# KiCad board panel.kicad_pcb
title: CleverHand - EMG; date: 2022-10-26; rev: 3.0; company: Alexis Devillard
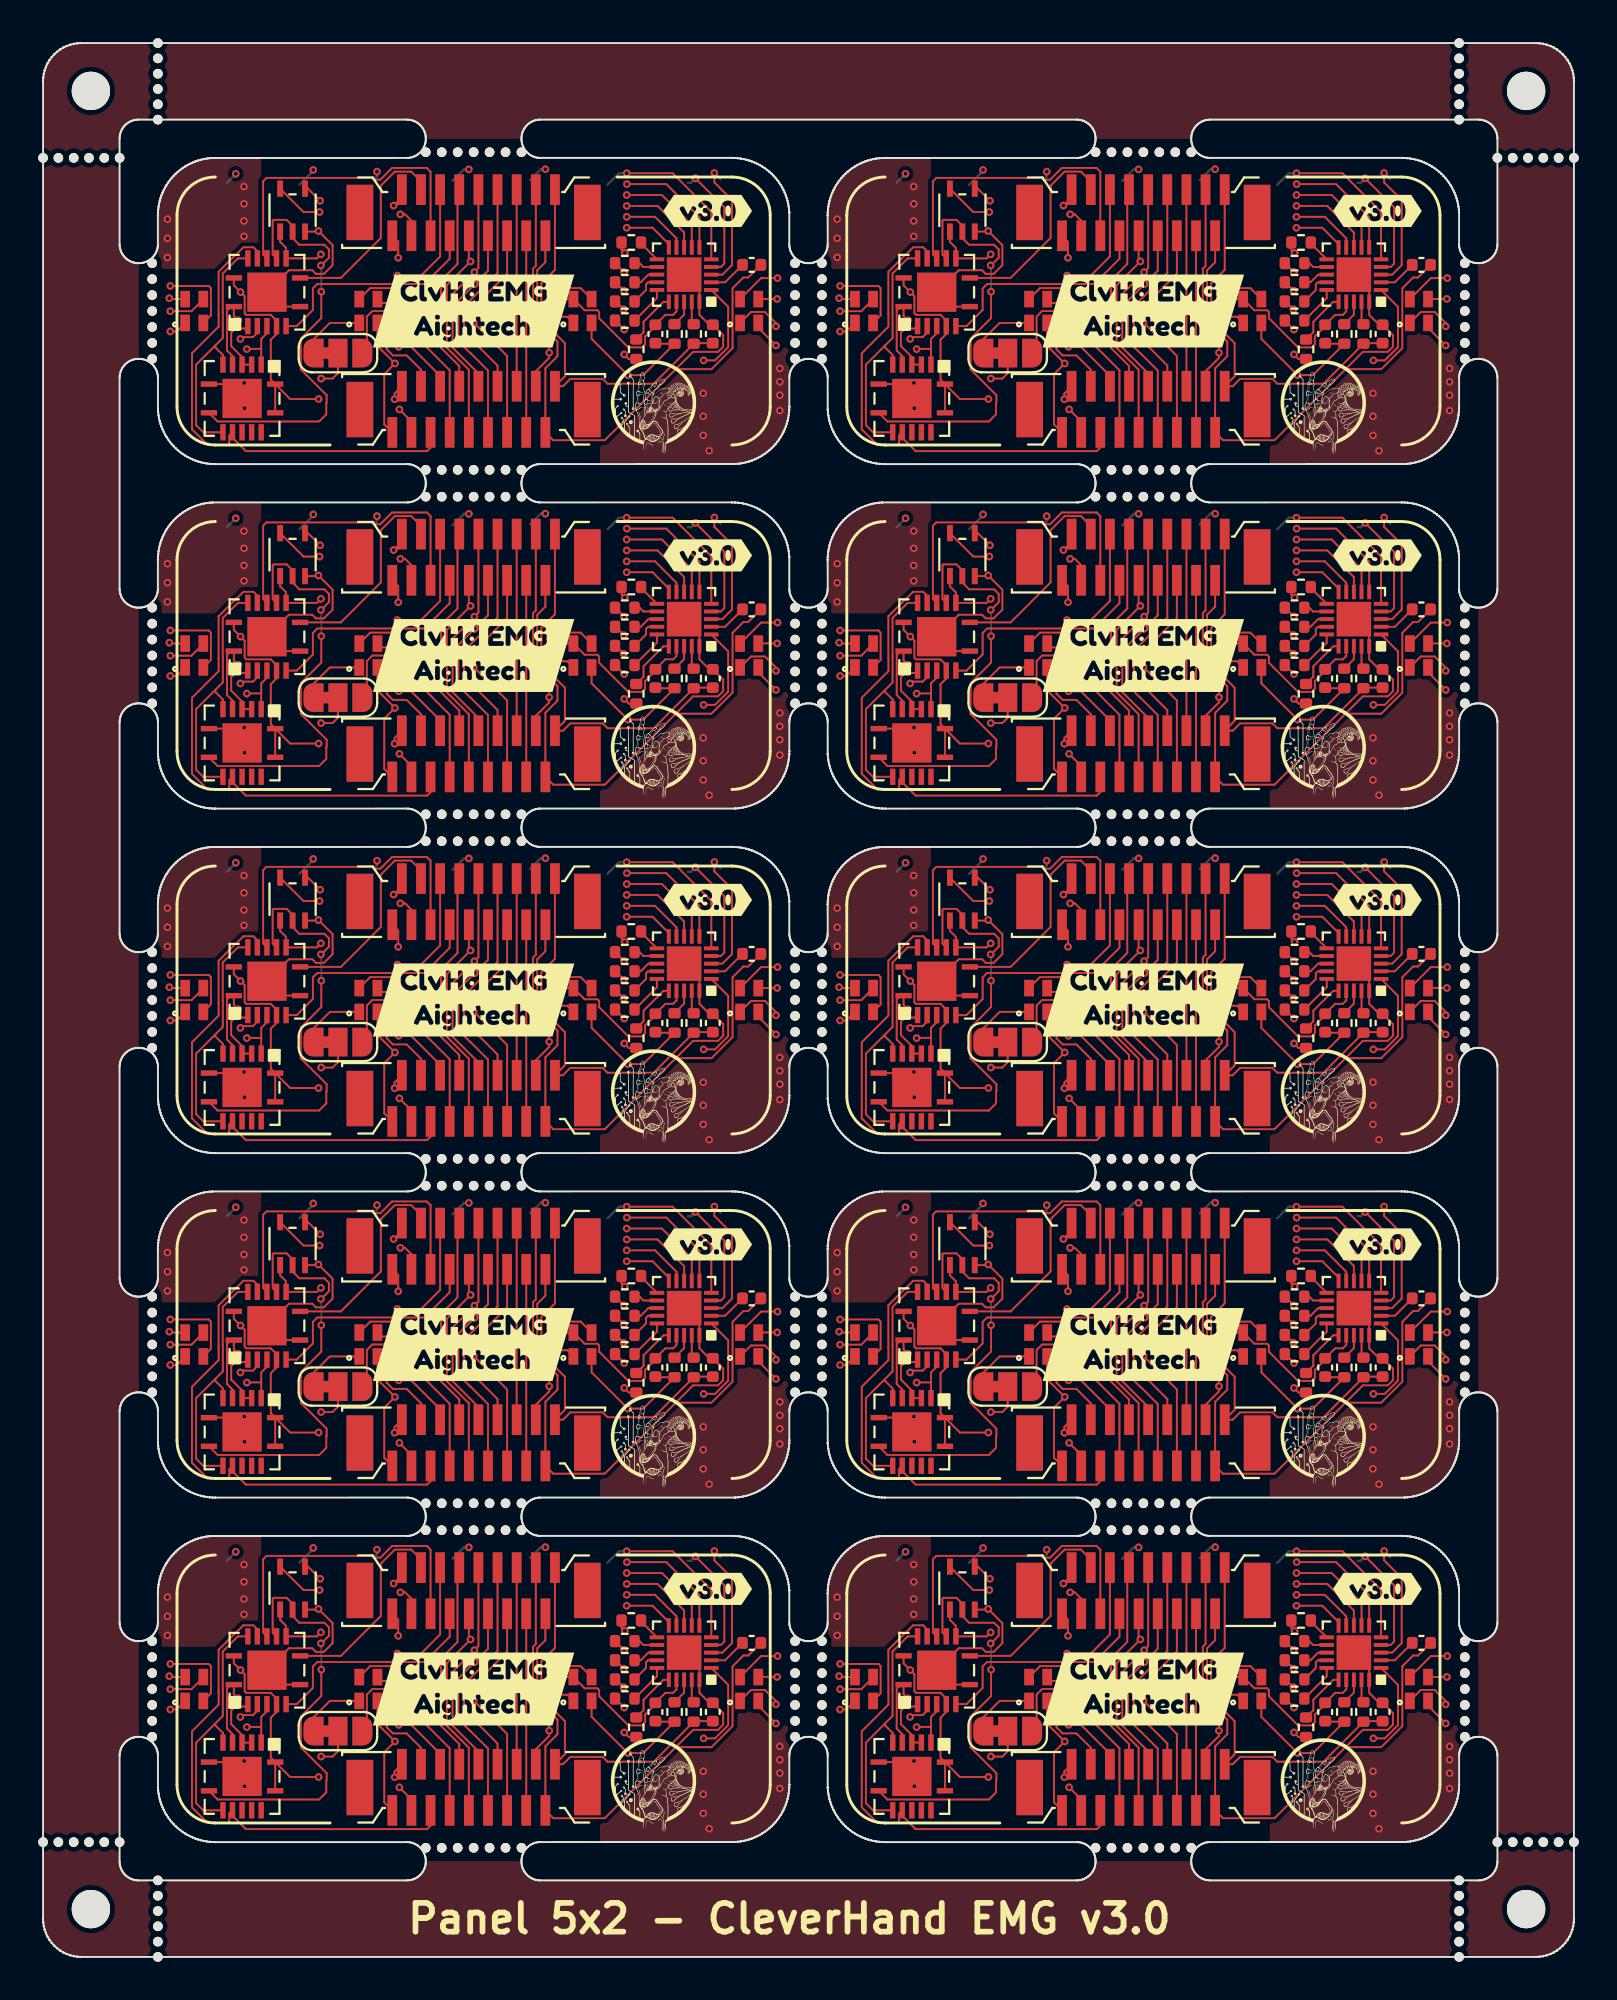
[diagram p0: board, top side]
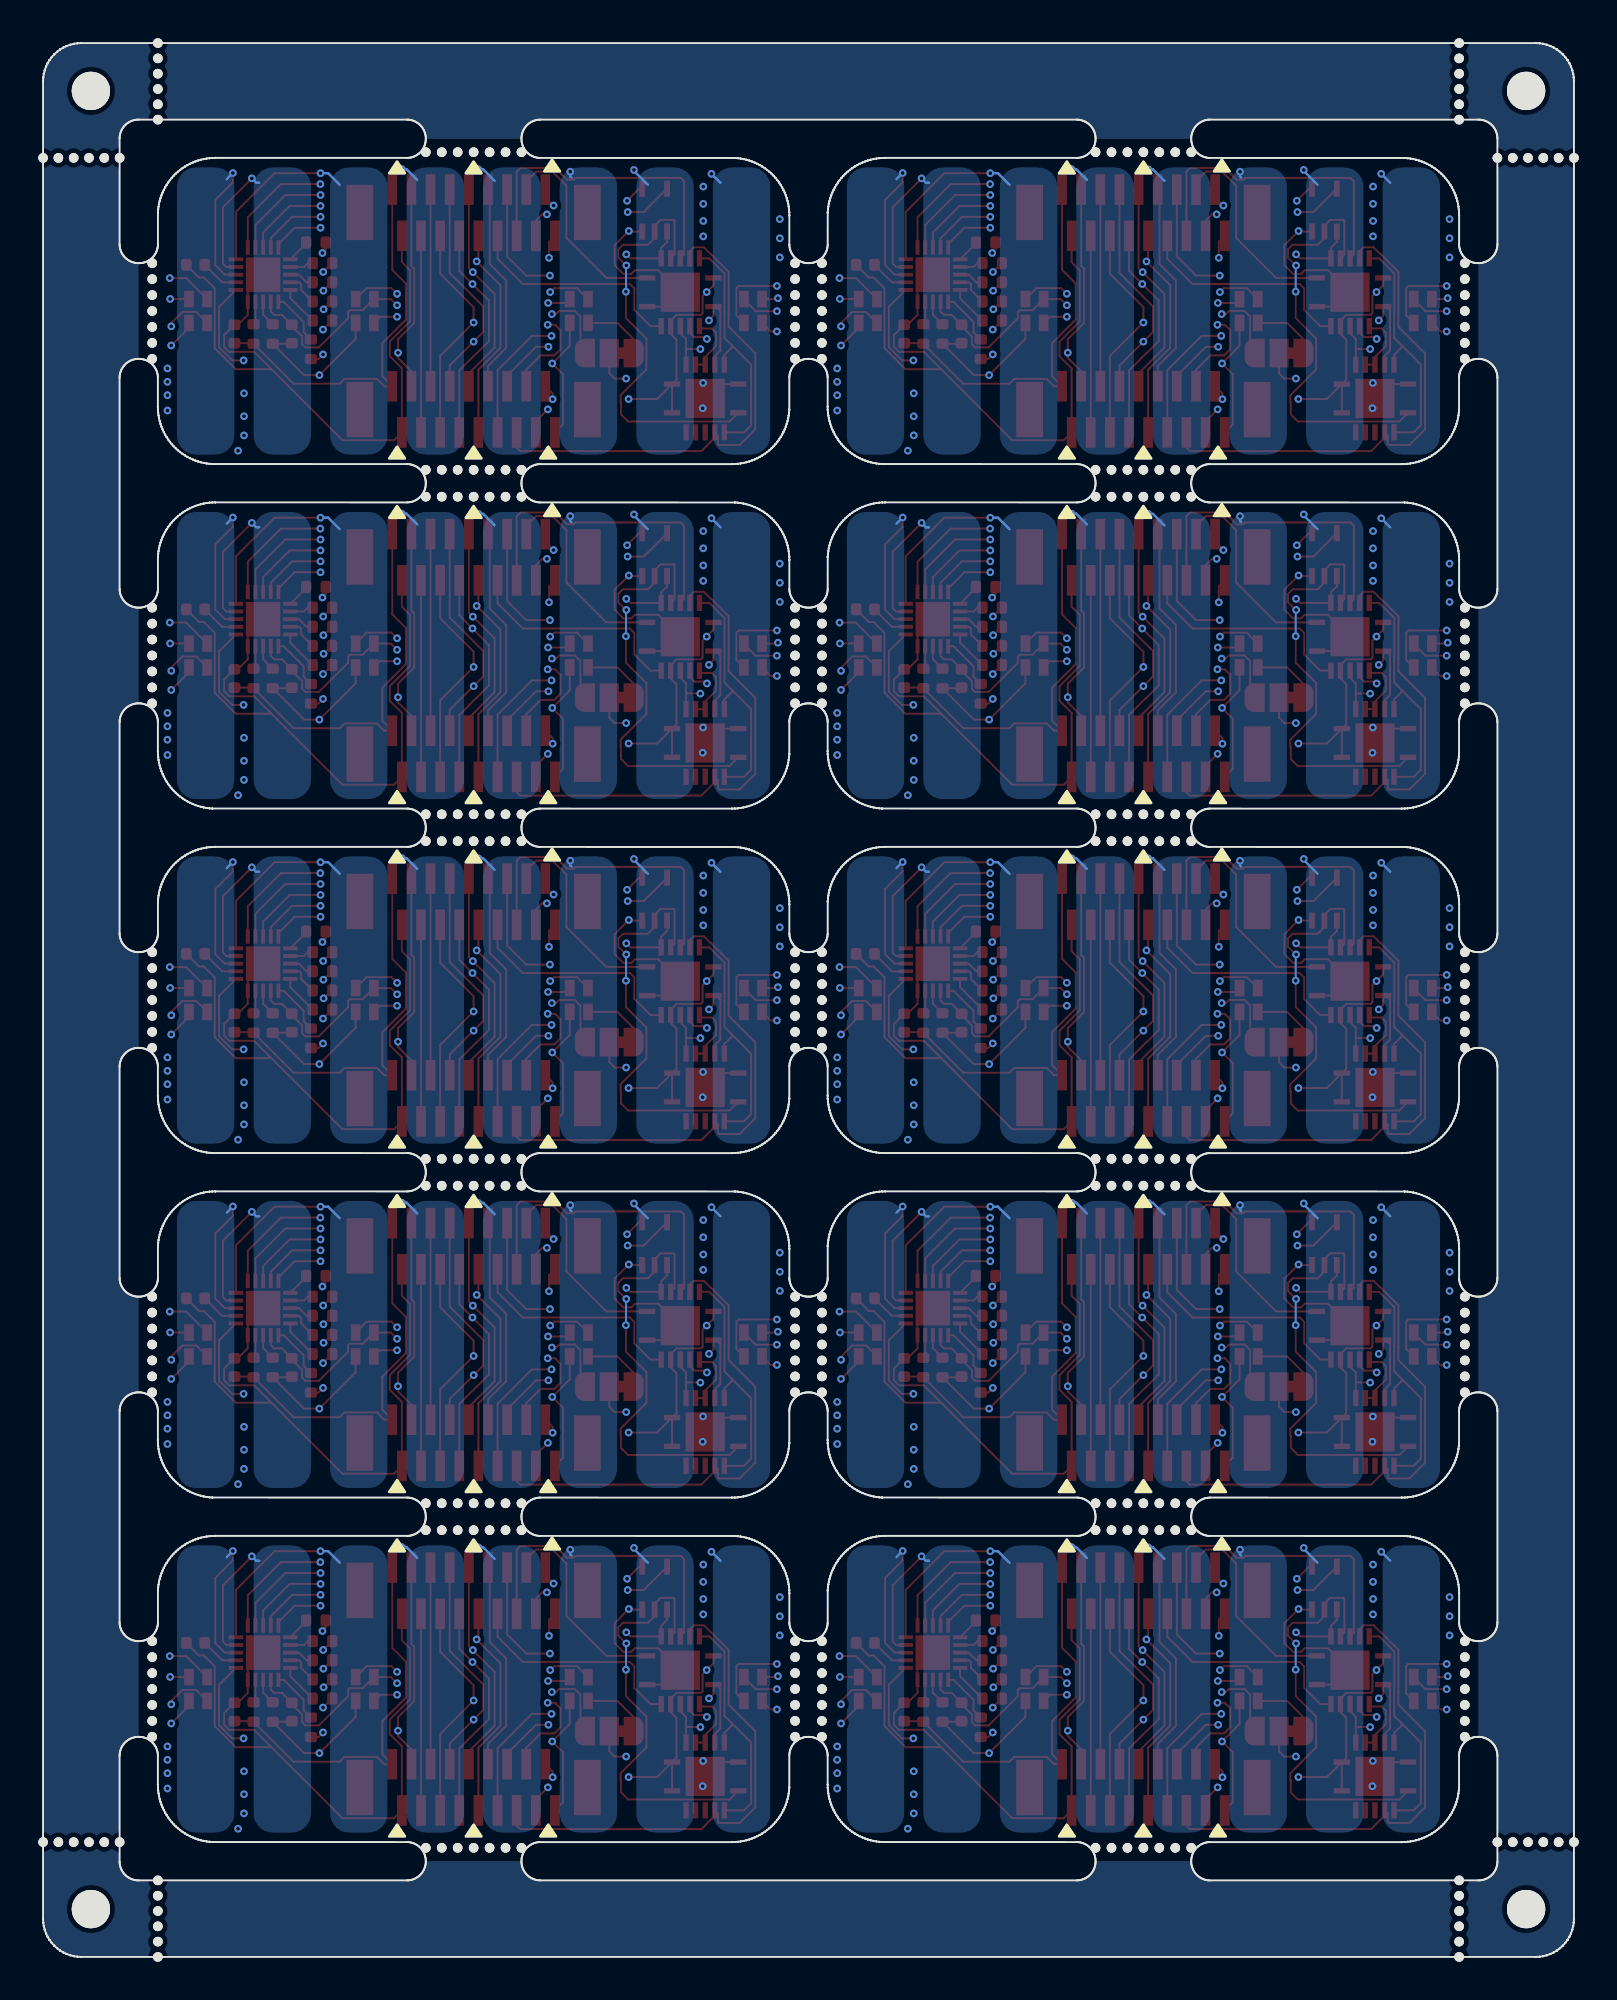
[diagram p1: board, bottom side, seen from below]

Outline 80 x 100 mm; copper layers: Front, In1.Cu, In2.Cu, Back. Coordinates in mm from the lower left corner of the outline.
Stack: Front 0.035mm / dielectric 0.48mm FR4 er 4.5 / In1.Cu 0.035mm / dielectric 0.48mm FR4 er 4.5 / In2.Cu 0.035mm / dielectric 0.48mm FR4 er 4.5 / Back 0.035mm

## Placement (name value [footprint] x y rotation side)
C1  100nF  [C_0402_1005Metric]  70 12.8 270 top
C1#2  100nF  [C_0402_1005Metric]  70 48.8 270 top
C1#3  100nF  [C_0402_1005Metric]  70 30.8 270 top
C1#4  100nF  [C_0402_1005Metric]  70 84.8 270 top
C1#5  100nF  [C_0402_1005Metric]  35 66.8 270 top
C1#6  100nF  [C_0402_1005Metric]  35 48.8 270 top
C1#7  100nF  [C_0402_1005Metric]  35 12.8 270 top
C1#8  100nF  [C_0402_1005Metric]  70 66.8 270 top
C1#9  100nF  [C_0402_1005Metric]  35 84.8 270 top
C1#10  100nF  [C_0402_1005Metric]  35 30.8 270 top
C2  100nF  [C_0402_1005Metric]  67 84.8 90 top
C2#2  100nF  [C_0402_1005Metric]  32 48.8 90 top
C2#3  100nF  [C_0402_1005Metric]  32 30.8 90 top
C2#4  100nF  [C_0402_1005Metric]  67 30.8 90 top
C2#5  100nF  [C_0402_1005Metric]  67 66.8 90 top
C2#6  100nF  [C_0402_1005Metric]  67 12.8 90 top
C2#7  100nF  [C_0402_1005Metric]  67 48.8 90 top
C2#8  100nF  [C_0402_1005Metric]  32 84.8 90 top
C2#9  100nF  [C_0402_1005Metric]  32 66.8 90 top
C2#10  100nF  [C_0402_1005Metric]  32 12.8 90 top
C3  10uF  [C_0402_1005Metric]  72.03 16.41 0 top
C3#2  10uF  [C_0402_1005Metric]  37.03 88.41 0 top
C3#3  10uF  [C_0402_1005Metric]  72.03 34.41 0 top
C3#4  10uF  [C_0402_1005Metric]  72.03 88.41 0 top
C3#5  10uF  [C_0402_1005Metric]  37.03 70.41 0 top
C3#6  10uF  [C_0402_1005Metric]  72.03 70.41 0 top
C3#7  10uF  [C_0402_1005Metric]  37.03 16.41 0 top
C3#8  10uF  [C_0402_1005Metric]  37.03 34.41 0 top
C3#9  10uF  [C_0402_1005Metric]  72.03 52.41 0 top
C3#10  10uF  [C_0402_1005Metric]  37.03 52.41 0 top
D1  1515  [neopixel_1515]  7.9 32 90 top
D1#2  1515  [neopixel_1515]  7.9 68 90 top
D1#3  1515  [neopixel_1515]  42.9 86 90 top
D1#4  1515  [neopixel_1515]  42.9 14 90 top
D1#5  1515  [neopixel_1515]  42.9 50 90 top
D1#6  1515  [neopixel_1515]  7.9 50 90 top
D1#7  1515  [neopixel_1515]  42.9 68 90 top
D1#8  1515  [neopixel_1515]  42.9 32 90 top
D1#9  1515  [neopixel_1515]  7.9 14 90 top
D1#10  1515  [neopixel_1515]  7.9 86 90 top
D2  1515  [neopixel_1515]  17 68 90 top
D2#2  1515  [neopixel_1515]  17 86 90 top
D2#3  1515  [neopixel_1515]  17 14 90 top
D2#4  1515  [neopixel_1515]  52 32 90 top
D2#5  1515  [neopixel_1515]  17 32 90 top
D2#6  1515  [neopixel_1515]  52 86 90 top
D2#7  1515  [neopixel_1515]  52 14 90 top
D2#8  1515  [neopixel_1515]  52 50 90 top
D2#9  1515  [neopixel_1515]  52 68 90 top
D2#10  1515  [neopixel_1515]  17 50 90 top
D3  1515  [neopixel_1515]  63.19 68 90 top
D3#2  1515  [neopixel_1515]  28.19 68 90 top
D3#3  1515  [neopixel_1515]  28.19 50 90 top
D3#4  1515  [neopixel_1515]  63.19 32 90 top
D3#5  1515  [neopixel_1515]  63.19 14 90 top
D3#6  1515  [neopixel_1515]  28.19 14 90 top
D3#7  1515  [neopixel_1515]  63.19 86 90 top
D3#8  1515  [neopixel_1515]  28.19 86 90 top
D3#9  1515  [neopixel_1515]  28.19 32 90 top
D3#10  1515  [neopixel_1515]  63.19 50 90 top
D4  1515  [neopixel_1515]  71.9 86 90 top
D4#2  1515  [neopixel_1515]  71.9 32 90 top
D4#3  1515  [neopixel_1515]  71.9 68 90 top
D4#4  1515  [neopixel_1515]  36.9 86 90 top
D4#5  1515  [neopixel_1515]  36.9 32 90 top
D4#6  1515  [neopixel_1515]  36.9 50 90 top
D4#7  1515  [neopixel_1515]  71.9 50 90 top
D4#8  1515  [neopixel_1515]  36.9 68 90 top
D4#9  1515  [neopixel_1515]  36.9 14 90 top
D4#10  1515  [neopixel_1515]  71.9 14 90 top
G***  -  [LOGO]  66.91 45.03 0 top
G***#2  -  [LOGO]  31.91 63.03 0 top
G***#3  -  [LOGO]  31.91 9.03 0 top
G***#4  -  [LOGO]  66.91 81.03 0 top
G***#5  -  [LOGO]  31.91 81.03 0 top
G***#6  -  [LOGO]  66.91 27.03 0 top
G***#7  -  [LOGO]  31.91 45.03 0 top
G***#8  -  [LOGO]  66.91 63.03 0 top
G***#9  -  [LOGO]  66.91 9.03 0 top
G***#10  -  [LOGO]  31.91 27.03 0 top
J1  COM_IN  [XF2J-1824-12A]  18.25 43.66 0 top
J1#2  COM_IN  [XF2J-1824-12A]  18.25 7.66 0 top
J1#3  COM_IN  [XF2J-1824-12A]  53.25 61.66 0 top
J1#4  COM_IN  [XF2J-1824-12A]  53.25 7.66 0 top
J1#5  COM_IN  [XF2J-1824-12A]  53.25 79.66 0 top
J1#6  COM_IN  [XF2J-1824-12A]  18.25 79.66 0 top
J1#7  COM_IN  [XF2J-1824-12A]  18.25 25.66 0 top
J1#8  COM_IN  [XF2J-1824-12A]  53.25 25.66 0 top
J1#9  COM_IN  [XF2J-1824-12A]  18.25 61.66 0 top
J1#10  COM_IN  [XF2J-1824-12A]  53.25 43.66 0 top
J2  COM_OUT  [XF2J-1824-12A]  61.75 74.34 180 top
J2#2  COM_OUT  [XF2J-1824-12A]  61.75 20.34 180 top
J2#3  COM_OUT  [XF2J-1824-12A]  61.75 92.34 180 top
J2#4  COM_OUT  [XF2J-1824-12A]  26.75 56.34 180 top
J2#5  COM_OUT  [XF2J-1824-12A]  26.75 38.34 180 top
J2#6  COM_OUT  [XF2J-1824-12A]  26.75 74.34 180 top
J2#7  COM_OUT  [XF2J-1824-12A]  26.75 92.34 180 top
J2#8  COM_OUT  [XF2J-1824-12A]  26.75 20.34 180 top
J2#9  COM_OUT  [XF2J-1824-12A]  61.75 56.34 180 top
J2#10  COM_OUT  [XF2J-1824-12A]  61.75 38.34 180 top
JP1  1-4_neo_bridge  [SolderJumper-3_P1.3mm_Bridged12_RoundedPad1.0x1.5mm_NumberLabels]  15.41 47.8 0 top
JP1#2  1-4_neo_bridge  [SolderJumper-3_P1.3mm_Bridged12_RoundedPad1.0x1.5mm_NumberLabels]  50.41 29.8 0 top
JP1#3  1-4_neo_bridge  [SolderJumper-3_P1.3mm_Bridged12_RoundedPad1.0x1.5mm_NumberLabels]  50.41 47.8 0 top
JP1#4  1-4_neo_bridge  [SolderJumper-3_P1.3mm_Bridged12_RoundedPad1.0x1.5mm_NumberLabels]  50.41 65.8 0 top
JP1#5  1-4_neo_bridge  [SolderJumper-3_P1.3mm_Bridged12_RoundedPad1.0x1.5mm_NumberLabels]  15.41 65.8 0 top
JP1#6  1-4_neo_bridge  [SolderJumper-3_P1.3mm_Bridged12_RoundedPad1.0x1.5mm_NumberLabels]  15.41 29.8 0 top
JP1#7  1-4_neo_bridge  [SolderJumper-3_P1.3mm_Bridged12_RoundedPad1.0x1.5mm_NumberLabels]  15.41 83.8 0 top
JP1#8  1-4_neo_bridge  [SolderJumper-3_P1.3mm_Bridged12_RoundedPad1.0x1.5mm_NumberLabels]  50.41 11.8 0 top
JP1#9  1-4_neo_bridge  [SolderJumper-3_P1.3mm_Bridged12_RoundedPad1.0x1.5mm_NumberLabels]  15.41 11.8 0 top
JP1#10  1-4_neo_bridge  [SolderJumper-3_P1.3mm_Bridged12_RoundedPad1.0x1.5mm_NumberLabels]  50.41 83.8 0 top
kibuzzard-635971E5  G***  [kibuzzard-635971E5]  57.5 14 0 top
kibuzzard-635971E5#2  G***  [kibuzzard-635971E5]  22.5 86 0 top
kibuzzard-635971E5#3  G***  [kibuzzard-635971E5]  22.5 32 0 top
kibuzzard-635971E5#4  G***  [kibuzzard-635971E5]  22.5 14 0 top
kibuzzard-635971E5#5  G***  [kibuzzard-635971E5]  22.5 50 0 top
kibuzzard-635971E5#6  G***  [kibuzzard-635971E5]  57.5 50 0 top
kibuzzard-635971E5#7  G***  [kibuzzard-635971E5]  57.5 32 0 top
kibuzzard-635971E5#8  G***  [kibuzzard-635971E5]  57.5 68 0 top
kibuzzard-635971E5#9  G***  [kibuzzard-635971E5]  22.5 68 0 top
kibuzzard-635971E5#10  G***  [kibuzzard-635971E5]  57.5 86 0 top
kibuzzard-63597494  G***  [kibuzzard-63597494]  34.73 73.23 0 top
kibuzzard-63597494#2  G***  [kibuzzard-63597494]  69.73 73.23 0 top
kibuzzard-63597494#3  G***  [kibuzzard-63597494]  69.73 19.23 0 top
kibuzzard-63597494#4  G***  [kibuzzard-63597494]  34.73 55.23 0 top
kibuzzard-63597494#5  G***  [kibuzzard-63597494]  69.73 55.23 0 top
kibuzzard-63597494#6  G***  [kibuzzard-63597494]  69.73 37.23 0 top
kibuzzard-63597494#7  G***  [kibuzzard-63597494]  34.73 91.23 0 top
kibuzzard-63597494#8  G***  [kibuzzard-63597494]  69.73 91.23 0 top
kibuzzard-63597494#9  G***  [kibuzzard-63597494]  34.73 19.23 0 top
kibuzzard-63597494#10  G***  [kibuzzard-63597494]  34.73 37.23 0 top
R1  10R  [R_0402_1005Metric]  31 12 270 top
R1#2  10R  [R_0402_1005Metric]  31 30 270 top
R1#3  10R  [R_0402_1005Metric]  66 12 270 top
R1#4  10R  [R_0402_1005Metric]  66 66 270 top
R1#5  10R  [R_0402_1005Metric]  66 84 270 top
R1#6  10R  [R_0402_1005Metric]  66 48 270 top
R1#7  10R  [R_0402_1005Metric]  66 30 270 top
R1#8  10R  [R_0402_1005Metric]  31 48 270 top
R1#9  10R  [R_0402_1005Metric]  31 66 270 top
R1#10  10R  [R_0402_1005Metric]  31 84 270 top
R2  10R  [R_0402_1005Metric]  65.4 85.5 180 top
R2#2  10R  [R_0402_1005Metric]  65.4 31.5 180 top
R2#3  10R  [R_0402_1005Metric]  30.4 49.5 180 top
R2#4  10R  [R_0402_1005Metric]  30.4 13.5 180 top
R2#5  10R  [R_0402_1005Metric]  30.4 67.5 180 top
R2#6  10R  [R_0402_1005Metric]  65.4 49.5 180 top
R2#7  10R  [R_0402_1005Metric]  30.4 85.5 180 top
R2#8  10R  [R_0402_1005Metric]  65.4 67.5 180 top
R2#9  10R  [R_0402_1005Metric]  30.4 31.5 180 top
R2#10  10R  [R_0402_1005Metric]  65.4 13.5 180 top
R3  10R  [R_0402_1005Metric]  30.4 50.5 180 top
R3#2  10R  [R_0402_1005Metric]  30.4 14.5 180 top
R3#3  10R  [R_0402_1005Metric]  65.4 86.5 180 top
R3#4  10R  [R_0402_1005Metric]  30.4 86.5 180 top
R3#5  10R  [R_0402_1005Metric]  30.4 32.5 180 top
R3#6  10R  [R_0402_1005Metric]  30.4 68.5 180 top
R3#7  10R  [R_0402_1005Metric]  65.4 68.5 180 top
R3#8  10R  [R_0402_1005Metric]  65.4 50.5 180 top
R3#9  10R  [R_0402_1005Metric]  65.4 32.5 180 top
R3#10  10R  [R_0402_1005Metric]  65.4 14.5 180 top
R4  10R  [R_0402_1005Metric]  65.4 15.5 180 top
R4#2  10R  [R_0402_1005Metric]  65.4 33.5 180 top
R4#3  10R  [R_0402_1005Metric]  30.4 15.5 180 top
R4#4  10R  [R_0402_1005Metric]  30.4 69.5 180 top
R4#5  10R  [R_0402_1005Metric]  30.4 51.5 180 top
R4#6  10R  [R_0402_1005Metric]  65.4 69.5 180 top
R4#7  10R  [R_0402_1005Metric]  30.4 33.5 180 top
R4#8  10R  [R_0402_1005Metric]  65.4 87.5 180 top
R4#9  10R  [R_0402_1005Metric]  30.4 87.5 180 top
R4#10  10R  [R_0402_1005Metric]  65.4 51.5 180 top
R5  10R  [R_0402_1005Metric]  65.4 70.5 180 top
R5#2  10R  [R_0402_1005Metric]  30.4 16.5 180 top
R5#3  10R  [R_0402_1005Metric]  30.4 88.5 180 top
R5#4  10R  [R_0402_1005Metric]  65.4 52.5 180 top
R5#5  10R  [R_0402_1005Metric]  30.4 70.5 180 top
R5#6  10R  [R_0402_1005Metric]  30.4 34.5 180 top
R5#7  10R  [R_0402_1005Metric]  30.4 52.5 180 top
R5#8  10R  [R_0402_1005Metric]  65.4 34.5 180 top
R5#9  10R  [R_0402_1005Metric]  65.4 16.5 180 top
R5#10  10R  [R_0402_1005Metric]  65.4 88.5 180 top
R6  10R  [R_0402_1005Metric]  65.74 89.58 180 top
R6#2  10R  [R_0402_1005Metric]  65.74 17.58 180 top
R6#3  10R  [R_0402_1005Metric]  30.74 17.58 180 top
R6#4  10R  [R_0402_1005Metric]  65.74 35.58 180 top
R6#5  10R  [R_0402_1005Metric]  30.74 71.58 180 top
R6#6  10R  [R_0402_1005Metric]  30.74 35.58 180 top
R6#7  10R  [R_0402_1005Metric]  65.74 71.58 180 top
R6#8  10R  [R_0402_1005Metric]  30.74 53.58 180 top
R6#9  10R  [R_0402_1005Metric]  65.74 53.58 180 top
R6#10  10R  [R_0402_1005Metric]  30.74 89.58 180 top
R7  10R  [R_0402_1005Metric]  69 84.8 270 top
R7#2  10R  [R_0402_1005Metric]  34 66.8 270 top
R7#3  10R  [R_0402_1005Metric]  69 48.8 270 top
R7#4  10R  [R_0402_1005Metric]  34 84.8 270 top
R7#5  10R  [R_0402_1005Metric]  34 12.8 270 top
R7#6  10R  [R_0402_1005Metric]  34 30.8 270 top
R7#7  10R  [R_0402_1005Metric]  34 48.8 270 top
R7#8  10R  [R_0402_1005Metric]  69 12.8 270 top
R7#9  10R  [R_0402_1005Metric]  69 66.8 270 top
R7#10  10R  [R_0402_1005Metric]  69 30.8 270 top
R8  10R  [R_0402_1005Metric]  33 48.8 270 top
R8#2  10R  [R_0402_1005Metric]  33 30.8 270 top
R8#3  10R  [R_0402_1005Metric]  33 12.8 270 top
R8#4  10R  [R_0402_1005Metric]  68 66.8 270 top
R8#5  10R  [R_0402_1005Metric]  33 66.8 270 top
R8#6  10R  [R_0402_1005Metric]  68 48.8 270 top
R8#7  10R  [R_0402_1005Metric]  68 12.8 270 top
R8#8  10R  [R_0402_1005Metric]  33 84.8 270 top
R8#9  10R  [R_0402_1005Metric]  68 30.8 270 top
R8#10  10R  [R_0402_1005Metric]  68 84.8 270 top
REF**  -  [NPTH]  5.7 11.5 0 top
REF**#2  -  [NPTH]  40.7 31.17 0 top
REF**#3  -  [NPTH]  1.6 6 0 top
REF**#4  -  [NPTH]  5.7 33.67 0 top
REF**#5  -  [NPTH]  20 94.3 0 top
REF**#6  -  [NPTH]  56.67 23.7 0 top
REF**#7  -  [NPTH]  22.5 40.3 0 top
REF**#8  -  [NPTH]  55.83 59.7 0 top
REF**#9  -  [NPTH]  74 2.4 0 top
REF**#10  -  [NPTH]  5.7 50.83 0 top
REF**#11  -  [NPTH]  2.4 6 0 top
REF**#12  -  [NPTH]  55.83 76.3 0 top
REF**#13  -  [NPTH]  25 41.7 0 top
REF**#14  -  [NPTH]  24.17 5.7 0 top
REF**#15  -  [NPTH]  22.5 22.3 0 top
REF**#16  -  [NPTH]  22.5 58.3 0 top
REF**#17  -  [NPTH]  74.3 14 0 top
REF**#18  -  [NPTH]  60 23.7 0 top
REF**#19  -  [NPTH]  5.7 29.5 0 top
REF**#20  -  [NPTH]  55.83 23.7 0 top
REF**#21  -  [NPTH]  21.67 22.3 0 top
REF**#22  -  [NPTH]  39.3 66.33 0 top
REF**#23  -  [NPTH]  40.7 87.67 0 top
REF**#24  -  [NPTH]  55 59.7 0 top
REF**#25  -  [NPTH]  25 58.3 0 top
REF**#26  -  [NPTH]  20 5.7 0 top
REF**#27  -  [NPTH]  20.83 58.3 0 top
REF**#28  -  [NPTH]  74.3 52.5 0 top
REF**#29  -  [NPTH]  76 94 0 top
REF**#30  -  [NPTH]  74.3 67.17 0 top
REF**#31  -  [NPTH]  39.3 68.83 0 top
REF**#32  -  [NPTH]  5.7 16.5 0 top
REF**#33  -  [NPTH]  5.7 88.5 0 top
REF**#34  -  [NPTH]  74.3 32 0 top
REF**#35  -  [NPTH]  20.83 59.7 0 top
REF**#36  -  [NPTH]  40.7 88.5 0 top
REF**#37  -  [NPTH]  20.83 22.3 0 top
REF**#38  -  [NPTH]  74 99.2 0 top
REF**#39  -  [NPTH]  60 40.3 0 top
REF**#40  -  [NPTH]  5.7 34.5 0 top
REF**#41  -  [NPTH]  74.3 83.5 0 top
REF**#42  -  [NPTH]  5.7 66.33 0 top
REF**#43  -  [NPTH]  55.83 22.3 0 top
REF**#44  -  [NPTH]  40.7 49.17 0 top
REF**#45  -  [NPTH]  59.17 94.3 0 top
REF**#46  -  [NPTH]  40.7 16.5 0 top
REF**#47  -  [NPTH]  20.83 40.3 0 top
REF**#48  -  [NPTH]  74 3.2 0 top
REF**#49  -  [NPTH]  22.5 59.7 0 top
REF**#50  -  [NPTH]  20 76.3 0 top
REF**#51  -  [NPTH]  40.7 66.33 0 top
REF**#52  -  [NPTH]  24.17 94.3 0 top
REF**#53  -  [NPTH]  74.3 68 0 top
REF**#54  -  [NPTH]  39.3 85.17 0 top
REF**#55  -  [NPTH]  22.5 5.7 0 top
REF**#56  -  [NPTH]  40.7 67.17 0 top
REF**#57  -  [NPTH]  6 100 0 top
REF**#58  -  [NPTH]  55 77.7 0 top
REF**#59  -  [NPTH]  40.7 29.5 0 top
REF**#60  -  [NPTH]  5.7 14.83 0 top
REF**#61  -  [NPTH]  25 22.3 0 top
REF**#62  -  [NPTH]  6 2.4 0 top
REF**#63  -  [NPTH]  5.7 51.67 0 top
REF**#64  -  [NPTH]  74.3 50 0 top
REF**#65  -  [NPTH]  74.3 66.33 0 top
REF**#66  -  [NPTH]  23.33 5.7 0 top
REF**#67  -  [NPTH]  56.67 77.7 0 top
REF**#68  -  [NPTH]  6 0.8 0 top
REF**#69  -  [NPTH]  56.67 40.3 0 top
REF**#70  -  [NPTH]  57.5 94.3 0 top
REF**#71  -  [NPTH]  57.5 41.7 0 top
REF**#72  -  [NPTH]  40.7 11.5 0 top
REF**#73  -  [NPTH]  58.33 76.3 0 top
REF**#74  -  [NPTH]  58.33 22.3 0 top
REF**#75  -  [NPTH]  58.33 23.7 0 top
REF**#76  -  [NPTH]  5.7 13.17 0 top
REF**#77  -  [NPTH]  5.7 30.33 0 top
REF**#78  -  [NPTH]  74 100 0 top
REF**#79  -  [NPTH]  56.67 94.3 0 top
REF**#80  -  [NPTH]  77.6 6 0 top
REF**#81  -  [NPTH]  6 3.2 0 top
REF**#82  -  [NPTH]  24.17 58.3 0 top
REF**#83  -  [NPTH]  0.8 6 0 top
REF**#84  -  [NPTH]  21.67 58.3 0 top
REF**#85  -  [NPTH]  60 41.7 0 top
REF**#86  -  [NPTH]  21.67 59.7 0 top
REF**#87  -  [NPTH]  24.17 76.3 0 top
REF**#88  -  [NPTH]  6 97.6 0 top
REF**#89  -  [NPTH]  40.7 33.67 0 top
REF**#90  -  [NPTH]  5.7 50 0 top
REF**#91  -  [NPTH]  25 77.7 0 top
REF**#92  -  [NPTH]  24.17 40.3 0 top
REF**#93  -  [NPTH]  39.3 87.67 0 top
REF**#94  -  [NPTH]  40.7 68.83 0 top
REF**#95  -  [NPTH]  55.83 58.3 0 top
REF**#96  -  [NPTH]  25 5.7 0 top
REF**#97  -  [NPTH]  22.5 94.3 0 top
REF**#98  -  [NPTH]  55 94.3 0 top
REF**#99  -  [NPTH]  6 1.6 0 top
REF**#100  -  [NPTH]  5.7 83.5 0 top
REF**#101  -  [NPTH]  6 4 0 top
REF**#102  -  [NPTH]  57.5 76.3 0 top
REF**#103  -  [NPTH]  74 4 0 top
REF**#104  -  [NPTH]  40.7 32 0 top
REF**#105  -  [NPTH]  74.3 50.83 0 top
REF**#106  -  [NPTH]  25 94.3 0 top
REF**#107  -  [NPTH]  20.83 5.7 0 top
REF**#108  -  [NPTH]  39.3 49.17 0 top
REF**#109  -  [NPTH]  39.3 11.5 0 top
REF**#110  -  [NPTH]  0 94 0 top
REF**#111  -  [NPTH]  56.67 58.3 0 top
REF**#112  -  [NPTH]  21.67 40.3 0 top
REF**#113  -  [NPTH]  20 40.3 0 top
REF**#114  -  [NPTH]  40.7 50 0 top
REF**#115  -  [NPTH]  2.4 94 0 top
REF**#116  -  [NPTH]  74 96.8 0 top
REF**#117  -  [NPTH]  23.33 41.7 0 top
REF**#118  -  [NPTH]  55.83 41.7 0 top
REF**#119  -  [NPTH]  56.67 5.7 0 top
REF**#120  -  [NPTH]  40.7 86.83 0 top
REF**#121  -  [NPTH]  55 23.7 0 top
REF**#122  -  [NPTH]  24.17 59.7 0 top
REF**#123  -  [NPTH]  55 76.3 0 top
REF**#124  -  [NPTH]  74 1.6 0 top
REF**#125  -  [NPTH]  40.7 65.5 0 top
REF**#126  -  [NPTH]  74.3 65.5 0 top
REF**#127  -  [NPTH]  21.67 41.7 0 top
REF**#128  -  [NPTH]  25 23.7 0 top
REF**#129  -  [NPTH]  60 94.3 0 top
REF**#130  -  [NPTH]  40.7 68 0 top
REF**#131  -  [NPTH]  25 40.3 0 top
REF**#132  -  [NPTH]  60 22.3 0 top
REF**#133  -  [NPTH]  24.17 22.3 0 top
REF**#134  -  [NPTH]  74 97.6 0 top
REF**#135  -  [NPTH]  58.33 77.7 0 top
REF**#136  -  [NPTH]  24.17 41.7 0 top
REF**#137  -  [NPTH]  60 58.3 0 top
REF**#138  -  [NPTH]  20.83 76.3 0 top
REF**#139  -  [NPTH]  6 0 0 top
REF**#140  -  [NPTH]  40.7 14.83 0 top
REF**#141  -  [NPTH]  80 94 0 top
REF**#142  -  [NPTH]  39.3 83.5 0 top
REF**#143  -  [NPTH]  5.7 31.17 0 top
REF**#144  -  [NPTH]  59.17 23.7 0 top
REF**#145  -  [NPTH#2]  77.5 97.5 0 top
REF**#146  -  [NPTH]  74.3 47.5 0 top
REF**#147  -  [NPTH]  39.3 86 0 top
REF**#148  -  [NPTH]  39.3 29.5 0 top
REF**#149  -  [NPTH]  5.7 87.67 0 top
REF**#150  -  [NPTH]  74 96 0 top
REF**#151  -  [NPTH]  40.7 47.5 0 top
REF**#152  -  [NPTH]  55 5.7 0 top
REF**#153  -  [NPTH]  39.3 67.17 0 top
REF**#154  -  [NPTH]  24.17 23.7 0 top
REF**#155  -  [NPTH]  0.8 94 0 top
REF**#156  -  [NPTH]  80 6 0 top
REF**#157  -  [NPTH]  74.3 30.33 0 top
REF**#158  -  [NPTH]  5.7 12.33 0 top
REF**#159  -  [NPTH]  39.3 47.5 0 top
REF**#160  -  [NPTH]  40.7 14 0 top
REF**#161  -  [NPTH]  40.7 52.5 0 top
REF**#162  -  [NPTH#2]  2.5 97.5 0 top
REF**#163  -  [NPTH]  5.7 84.33 0 top
REF**#164  -  [NPTH]  5.7 15.67 0 top
REF**#165  -  [NPTH]  40.7 32.83 0 top
REF**#166  -  [NPTH]  57.5 22.3 0 top
REF**#167  -  [NPTH]  20.83 94.3 0 top
REF**#168  -  [NPTH]  23.33 76.3 0 top
REF**#169  -  [NPTH]  74.3 12.33 0 top
REF**#170  -  [NPTH]  76.8 94 0 top
REF**#171  -  [NPTH]  4 94 0 top
REF**#172  -  [NPTH]  39.3 70.5 0 top
REF**#173  -  [NPTH]  39.3 16.5 0 top
REF**#174  -  [NPTH]  40.7 30.33 0 top
REF**#175  -  [NPTH]  5.7 49.17 0 top
REF**#176  -  [NPTH]  57.5 40.3 0 top
REF**#177  -  [NPTH]  21.67 5.7 0 top
REF**#178  -  [NPTH]  1.6 94 0 top
REF**#179  -  [NPTH]  74.3 48.33 0 top
REF**#180  -  [NPTH]  74.3 11.5 0 top
REF**#181  -  [NPTH]  39.3 50 0 top
REF**#182  -  [NPTH]  5.7 67.17 0 top
REF**#183  -  [NPTH]  74.3 13.17 0 top
REF**#184  -  [NPTH]  39.3 30.33 0 top
REF**#185  -  [NPTH]  74.3 14.83 0 top
REF**#186  -  [NPTH]  74.3 69.67 0 top
REF**#187  -  [NPTH]  74.3 88.5 0 top
REF**#188  -  [NPTH]  55.83 5.7 0 top
REF**#189  -  [NPTH]  39.3 32 0 top
REF**#190  -  [NPTH]  79.2 94 0 top
REF**#191  -  [NPTH]  39.3 86.83 0 top
REF**#192  -  [NPTH]  40.7 34.5 0 top
REF**#193  -  [NPTH]  40.7 70.5 0 top
REF**#194  -  [NPTH]  74.3 51.67 0 top
REF**#195  -  [NPTH]  5.7 52.5 0 top
REF**#196  -  [NPTH]  55 58.3 0 top
REF**#197  -  [NPTH]  5.7 65.5 0 top
REF**#198  -  [NPTH]  58.33 5.7 0 top
REF**#199  -  [NPTH]  39.3 12.33 0 top
REF**#200  -  [NPTH]  55 41.7 0 top
REF**#201  -  [NPTH]  39.3 31.17 0 top
REF**#202  -  [NPTH]  23.33 23.7 0 top
REF**#203  -  [NPTH]  55.83 94.3 0 top
REF**#204  -  [NPTH]  20 58.3 0 top
REF**#205  -  [NPTH]  74.3 33.67 0 top
REF**#206  -  [NPTH]  40.7 12.33 0 top
REF**#207  -  [NPTH]  20 59.7 0 top
REF**#208  -  [NPTH]  58.33 41.7 0 top
REF**#209  -  [NPTH]  39.3 69.67 0 top
REF**#210  -  [NPTH]  39.3 14 0 top
REF**#211  -  [NPTH]  59.17 76.3 0 top
REF**#212  -  [NPTH]  60 77.7 0 top
REF**#213  -  [NPTH]  74.3 16.5 0 top
REF**#214  -  [NPTH]  56.67 22.3 0 top
REF**#215  -  [NPTH]  20 41.7 0 top
REF**#216  -  [NPTH]  20.83 41.7 0 top
REF**#217  -  [NPTH]  5.7 68 0 top
REF**#218  -  [NPTH]  74.3 31.17 0 top
REF**#219  -  [NPTH]  6 99.2 0 top